# Allegro board 1140022-KU060_PCIE_FIBER_BOARD_V001_pcb166_20240120_1835_pcb.brd (continued)
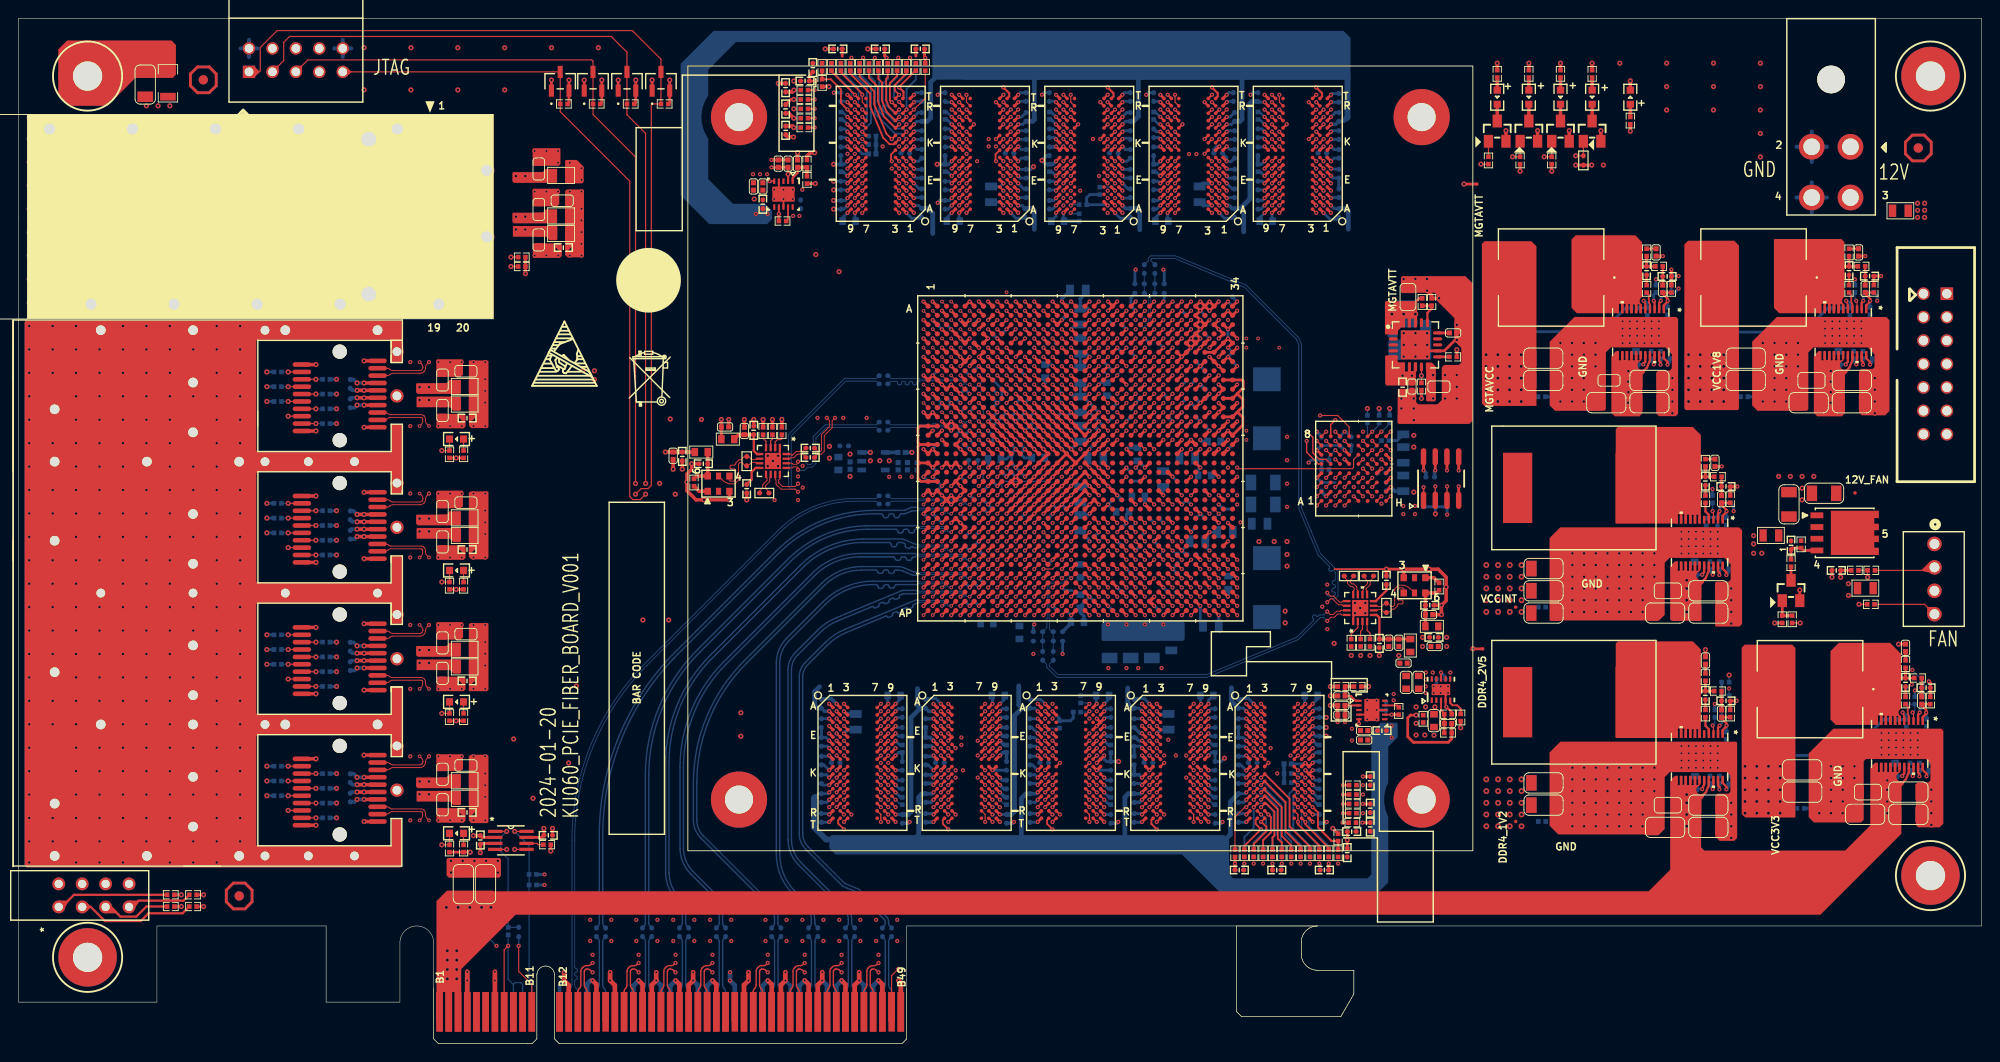
[diagram p0: board, top side]
## Routing (per net, layer and track width the routed paths; a pad name or vN(x,y) marks a point on that pad's centre or on a via; arc(x,y) is an arc through that point) (continued)
  ART05 w0.14: 97.43,73.12 97.24,73.12 96.72,73.63 96.01,75.34 96.09,75.52 96.62,75.74 96.8,76.17 96.48,76.94 96.04,77.12 95.51,76.9 95.33,76.98 92.48,83.87 92.48,89.02 92.76,89.3 92.76,89.59 92.48,89.87 92.48,90.19 92.04,90.64 91.7,90.64 v1(91.47,90.87)
CHA_FPGA_DDR4_C2_DQS6_N: length 31.9
  TOP w0.145: v1(110.11,71.45) U1.K13 ; U13.F3 v1(106.77,94.07)
  ART10 w0.102: 110.77,80.95 110.77,80.92 110.71,80.86 110.71,75.13 110.43,74.85 109.93,74.85 109.71,74.63 109.71,71.15 109.81,71.05 110.01,71.05 110.11,71.15 v1(110.11,71.45)
  ART10 w0.14: v1(106.77,94.07) 106.55,94.29 106.18,94.29 106.05,94.15 106.05,88.09 106.44,87.7 106.64,87.7 106.94,88 107.4,88 107.99,87.41 107.99,86.94 107.69,86.64 107.69,86.44 108.09,86.05 108.29,86.05 108.62,86.39 109.09,86.39 109.68,85.8 109.68,85.33 109.34,84.99 109.34,84.79 110.77,83.37 110.77,81.98 110.91,81.84 111.16,81.84 111.3,81.7 111.3,81.42 111.16,81.28 110.91,81.28 110.77,81.14 110.77,80.95
CHA_FPGA_DDR4_C2_DQS6_P: length 32.1
  TOP w0.145: v1(110.11,70.45) U1.L13
  TOP w0.173: U13.G3 v1(106.77,94.87)
  ART10 w0.102: 110.44,80.95 110.44,80.92 110.51,80.86 110.51,75.22 110.34,75.05 109.84,75.05 109.51,74.72 109.51,71.07 109.73,70.85 110.01,70.85 110.11,70.75 v1(110.11,70.45)
  ART10 w0.14: v1(106.77,94.87) 106.51,94.61 106.05,94.61 105.72,94.28 105.72,87.96 106.3,87.37 106.77,87.37 107.07,87.67 107.27,87.67 107.67,87.27 107.67,87.08 107.37,86.78 107.37,86.31 107.95,85.72 108.42,85.72 108.76,86.06 108.96,86.06 109.35,85.66 109.35,85.47 109.02,85.13 109.02,84.66 110.44,83.23 110.44,80.95
CHA_FPGA_DDR4_C2_DQS7_N: length 23
  TOP w0.173: U1.E13 v1(110.11,76.45) ; U13.A7 v1(102.77,90.07)
  ART05 w0.102: v1(110.11,76.45) 110.11,76.15 110.01,76.05 108.83,76.05 108.71,76.18 108.71,76.76 108.42,77.05 107.9,77.05 107.71,77.24 107.71,80.7 107.77,80.76 107.77,80.78
  ART05 w0.14: v1(102.77,90.07) 102.72,90.02 102.72,89.72 102.86,89.58 103.09,89.58 103.23,89.44 103.23,89.16 103.09,89.02 102.86,89.02 102.72,88.88 102.72,88.6 102.86,88.46 103.06,88.46 103.2,88.32 103.2,88.04 103.06,87.9 102.86,87.9 102.72,87.76 102.72,86.09 103.01,85.8 103.2,85.8 103.26,85.86 103.73,85.86 104.32,85.27 104.32,84.8 104.26,84.74 104.26,84.54 104.66,84.15 104.85,84.15 104.95,84.24 105.42,84.24 106.01,83.66 106.01,83.19 105.91,83.09 105.91,82.89 106.4,82.4 107.29,82.4 107.9,81.8 107.9,81.05 107.77,80.92 107.77,80.78
CHA_FPGA_DDR4_C2_DQS7_P: length 22.9
  TOP w0.173: U13.B7 v1(102.77,90.87) ; U1.F13 v1(110.11,75.45)
  ART05 w0.102: v1(110.11,75.45) 110.11,75.75 110.01,75.85 108.75,75.85 108.51,76.09 108.51,76.68 108.33,76.85 107.81,76.85 107.51,77.16 107.51,80.7 107.44,80.76 107.44,80.78 ; v1(102.77,90.87) 102.39,90.21 102.39,90.2 102.39,89.92
  ART05 w0.14: 107.44,80.78 107.44,81.06 107.57,81.19 107.57,81.66 107.16,82.07 106.27,82.07 105.58,82.76 105.58,83.23 105.68,83.32 105.68,83.52 105.28,83.92 105.09,83.92 104.99,83.82 104.52,83.82 103.93,84.41 103.93,84.88 103.99,84.93 103.99,85.13 103.59,85.53 103.4,85.53 103.34,85.47 102.87,85.47 102.39,85.95 102.39,89.81 102.39,89.81 102.39,89.92
CHA_FPGA_DDR4_C2_DQS8_N: length 58.8
  TOP w0.145: U12.F3 v1(118.07,94.07) ; v1(118.11,75.45) U1.F20
  ART03 w0.102: v1(118.11,75.45) 118.11,75.15 118.01,75.05 109.95,75.05 108.71,76.29 108.71,77.7 108.36,78.05 107.86,78.05 107.71,78.21 107.71,78.7 107.36,79.05 106.81,79.05 106.71,79.15 106.71,80.89 106.77,80.95 106.77,80.97
  ART03 w0.14: v1(118.07,94.07) 117.83,94.31 117.53,94.31 117.2,94.64 117.2,96.28 117.03,96.45 115.66,96.45 115.47,96.26 115.47,95.68 115.61,95.54 116.05,95.54 116.38,95.21 116.38,94.38 116.05,94.05 115.61,94.05 115.47,93.91 115.47,93.35 115.61,93.21 117.3,93.21 117.63,92.88 117.63,91.87 117.3,91.54 115.02,91.54 114.88,91.4 114.88,90.8 115.02,90.66 117.17,90.66 117.5,90.32 117.5,89.41 117.17,89.08 115.04,89.08 112.18,86.22 111.71,86.22 110.97,86.97 110.77,86.97 110.38,86.57 110.38,86.37 111.12,85.63 111.12,85.16 110.53,84.57 110.06,84.57 109.32,85.32 109.12,85.32 108.73,84.92 108.73,84.72 109.47,83.98 109.47,83.51 108.88,82.92 108.41,82.92 107.94,83.4 107.74,83.4 107.31,82.97 107.31,82.77 107.59,82.49 107.59,82.29 107.39,82.1 107.2,82.1 106.92,82.38 106.72,82.38 106.53,82.19 106.53,81.48 106.77,81.24 106.77,80.97
CHA_FPGA_DDR4_C2_DQS8_P: length 58.7
  TOP w0.145: U12.G3 v1(118.07,94.87) ; v1(118.11,74.45) U1.G20
  ART03 w0.102: v1(118.11,74.45) 118.11,74.75 118.01,74.85 109.86,74.85 108.51,76.2 108.51,77.61 108.27,77.85 107.78,77.85 107.51,78.12 107.51,78.61 107.28,78.85 106.72,78.85 106.5,79.07 106.5,80.89 106.44,80.95 106.44,80.97
  ART03 w0.14: 106.44,80.97 106.44,81.1 106.2,81.34 106.2,82.32 107.6,83.73 108.07,83.73 108.55,83.25 108.75,83.25 109.14,83.65 109.14,83.84 108.4,84.59 108.4,85.06 108.99,85.64 109.46,85.64 110.2,84.9 110.4,84.9 110.79,85.3 110.79,85.49 110.05,86.24 110.05,86.71 110.64,87.29 111.11,87.29 111.85,86.55 112.05,86.55 114.9,89.41 117.03,89.41 117.17,89.55 117.17,90.19 117.03,90.33 114.89,90.33 114.55,90.66 114.55,91.53 114.89,91.86 117.16,91.86 117.3,92 117.3,92.74 117.16,92.88 115.47,92.88 115.14,93.21 115.14,94.04 115.47,94.37 115.92,94.37 116.06,94.51 116.06,95.07 115.92,95.21 115.47,95.21 115.14,95.54 115.14,96.39 115.52,96.77 117.17,96.77 117.52,96.42 117.52,94.78 117.66,94.64 117.84,94.64 v1(118.07,94.87)
CHA_FPGA_DDR4_C2_ODT: length 132.2
  TOP w0.201: U10.K3 v1(140.68,98.07) ; v1(95.47,98.07) U11.K3 94.91,97.51 94.44,97.51 93.73,98.21 92.33,101.61 92.33,103 90.17,105.16 R153.1
  TOP w0.229: U12.K3 v1(118.07,98.07) ; U9.K3 v1(129.38,98.07) ; U13.K3 v1(106.77,98.07) ; v1(120.11,79.45) U1.B22
  ART03 w0.155: v1(140.68,98.07) 140.68,97.85 140.13,97.31 140.13,97.02 139.98,96.86 137.37,96.86 137.21,96.71 137.21,96.4 137.37,96.24 139.98,96.24 140.13,96.09 140.13,95.72 139.98,95.56 137.26,95.56 137.11,95.41 137.11,95.1 137.26,94.94 139.98,94.94 140.13,94.79 140.13,94.48 139.98,94.32 137.26,94.32 137.11,94.17 137.11,93.86 137.26,93.7 139.98,93.7 140.13,93.55 140.13,93.24 139.98,93.08 137.26,93.08 137.11,92.93 137.11,92.62 137.26,92.46 139.9,92.46 140.06,92.31 140.06,92 139.9,91.84 137.26,91.84 137.11,91.69 137.11,91.38 137.26,91.22 139.77,91.22 139.93,91.07 139.93,90.76 139.77,90.6 137.26,90.6 137.11,90.45 137.11,90.14 137.26,89.98 137.94,89.98 138.1,89.83 138.1,89.54 137.94,89.38 133.6,89.38 125.63,81.41 125.4,81.41 124.59,80.59 124.59,80.11 124.38,79.91 123.93,79.91 123.62,79.6 123.62,79.15 123.47,78.99 120.57,78.99 v1(120.11,79.45)
  ART05 w0.086: v1(140.68,98.07) 140.27,97.66 138.48,97.66 136.88,99.27 133.82,99.27 131.43,96.88 130.78,96.88 130.6,97.06 130.6,97.44 130.34,97.69 129.75,97.69 v1(129.38,98.07) 128.97,97.66 127.18,97.66 125.57,99.27 122.52,99.27 120.13,96.88 119.48,96.88 119.29,97.06 119.29,97.44 119.04,97.69 118.45,97.69 v1(118.07,98.07) 117.66,97.66 115.87,97.66 114.27,99.27 111.22,99.27 108.83,96.88 108.17,96.88 107.99,97.06 107.99,97.44 107.74,97.69 107.15,97.69 v1(106.77,98.07) 106.36,97.66 104.57,97.66 102.97,99.27 99.91,99.27 97.52,96.88 96.87,96.88 96.69,97.06 96.69,97.44 96.43,97.69 95.85,97.69 v1(95.47,98.07)
CHA_FPGA_DDR4_C2_PARITY: length 121
  TOP w0.201: v1(95.47,102.87) 95,103.34 95,103.94 96.26,105.2 R158.1
  TOP w0.229: U10.T3 v1(140.68,102.87) ; U12.T3 v1(118.07,102.87) ; U1.F27 v1(125.11,75.45) ; U9.T3 v1(129.38,102.87) ; U13.T3 v1(106.77,102.87) ; U11.T3 v1(95.47,102.87)
  ART05 w0.086: v1(140.68,102.87) 140.36,102.87 139.64,103.59 139.64,103.71 139.7,103.77 139.7,103.89 139.59,104 139.44,104 139.4,103.96 139.27,103.96 139.15,104.08 139.15,104.2 139.22,104.27 139.22,104.39 139.1,104.51 138.98,104.51 138.91,104.45 138.79,104.45 138.18,105.05 131.37,105.05 129.77,103.45 129.77,103.26 v1(129.38,102.87) 129.06,102.87 128.34,103.59 128.34,103.71 128.39,103.77 128.39,103.89 128.28,104 128.14,104 128.09,103.96 127.97,103.96 127.85,104.08 127.85,104.2 127.92,104.27 127.92,104.39 127.79,104.51 127.67,104.51 127.6,104.45 127.48,104.45 126.87,105.05 120.07,105.05 118.47,103.45 118.47,103.26 v1(118.07,102.87) 117.75,102.87 117.03,103.59 117.03,103.71 117.09,103.77 117.09,103.89 116.98,104 116.83,104 116.79,103.96 116.67,103.96 116.55,104.08 116.55,104.2 116.61,104.27 116.61,104.39 116.49,104.51 116.37,104.51 116.3,104.45 116.18,104.45 115.57,105.05 108.76,105.05 107.16,103.45 107.16,103.26 v1(106.77,102.87) 106.45,102.87 105.73,103.59 105.73,103.71 105.79,103.77 105.79,103.89 105.68,104 105.53,104 105.49,103.96 105.37,103.96 105.24,104.08 105.24,104.2 105.31,104.27 105.31,104.39 105.19,104.51 105.07,104.51 105,104.45 104.88,104.45 104.27,105.05 97.46,105.05 95.86,103.45 95.86,103.26 v1(95.47,102.87)
  ART12 w0.155: v1(140.68,102.87) 140.61,102.87 140.21,103.28 140.21,103.81 140.56,104.17 142.67,104.17 145.31,101.52 145.31,88.75 138.76,82.19 138.54,82.19 137.92,82.81 137.7,82.81 137.48,82.59 137.48,82.37 138.1,81.75 138.1,81.53 137.88,81.32 137.66,81.32 137.04,81.93 136.82,81.93 136.6,81.71 136.6,81.5 137.22,80.88 137.22,80.66 137,80.44 136.79,80.44 136.17,81.06 135.95,81.06 135.73,80.84 135.73,80.62 136.35,80 136.35,79.78 136.13,79.56 135.91,79.56 135.29,80.18 135.07,80.18 134.85,79.96 134.85,79.74 135.47,79.12 135.47,78.9 135.25,78.68 135.03,78.68 134.41,79.3 134.19,79.3 133.97,79.08 133.97,78.87 134.59,78.25 134.59,78.03 134.37,77.81 134.15,77.81 133.61,78.35 133.39,78.35 133.17,78.13 133.17,77.91 133.72,77.37 133.72,77.15 133.5,76.94 132.79,76.94 132.61,76.76 132.61,76.3 132.33,76.02 131.98,76.02 131.57,75.62 131.57,75.29 131.22,74.93 126.92,74.93 126.4,75.45 v1(125.11,75.45)
CHA_FPGA_DDR4_C2_RAS: length 125
  TOP w0.201: U13.L8 v1(101.97,98.87)
  TOP w0.229: U9.L8 v1(124.58,98.87) ; U10.L8 v1(135.88,98.87) ; v1(123.11,79.45) U1.B25 ; U11.L8 v1(90.67,98.87) ; U12.L8 v1(113.27,98.87) ; R149.1 v1(86.31,99.32)
  ART03 w0.086: v1(135.88,98.87) 135.88,98.64 135.48,98.25 135.48,97.88 135.3,97.69 134.75,97.69 134.66,97.78 134.66,97.93 134.57,98.02 134.4,98.02 134.31,97.93 134.31,97.78 134.23,97.69 134.06,97.69 133.97,97.78 133.97,97.93 133.88,98.02 133.71,98.02 133.62,97.93 133.62,97.78 133.54,97.69 133.15,97.69 131.57,99.27 125.19,99.27 124.79,98.87 v1(124.58,98.87) 124.58,98.64 124.18,98.25 124.18,97.88 123.99,97.69 123.44,97.69 123.36,97.78 123.36,97.93 123.27,98.02 123.1,98.02 123.01,97.93 123.01,97.78 122.93,97.69 122.75,97.69 122.67,97.78 122.67,97.96 122.56,98.07 122.43,98.07 122.32,97.96 122.32,97.84 122.23,97.75 122.11,97.75 120.59,99.27 113.88,99.27 113.49,98.87 v1(113.27,98.87) 113.27,98.64 112.88,98.25 112.88,97.88 112.69,97.69 112.14,97.69 112.05,97.78 112.05,97.93 111.97,98.02 111.8,98.02 111.71,97.93 111.71,97.78 111.62,97.69 111.45,97.69 111.36,97.78 111.36,97.93 111.28,98.02 111.1,98.02 111.02,97.93 111.02,97.78 110.93,97.69 110.54,97.69 108.97,99.27 102.58,99.27 102.18,98.87 v1(101.97,98.87) 101.97,98.67 101.57,98.27 101.57,97.88 101.39,97.69 100.84,97.69 100.75,97.78 100.75,97.93 100.67,98.02 100.49,98.02 100.41,97.93 100.41,97.78 100.32,97.69 100.15,97.69 100.06,97.78 100.06,97.93 99.97,98.02 99.8,98.02 99.72,97.93 99.72,97.78 99.63,97.69 99.24,97.69 97.66,99.27 91.28,99.27 90.88,98.87 v1(90.67,98.87) 90.59,98.87 90.19,98.48 89.59,98.48
  ART03 w0.155: v1(86.31,99.32) 87.7,99.32 88.54,98.48 89.59,98.48
  ART10 w0.137: 145.8,100.07 145.49,99.77 143.05,99.77 142.75,100.07 ; 140.54,100.07 142.69,100.07
  ART10 w0.155: 142.69,100.07 142.75,100.07 ; v1(123.11,79.45) 123.14,79.45 123.57,79.88 124.46,79.88 124.59,80.01 124.59,80.92 126.85,83.19 141.02,83.19 146.05,88.21 146.05,92.96 146.2,93.12 146.35,93.12 146.51,93.27 146.51,93.58 146.35,93.74 146.2,93.74 146.05,93.89 146.05,94.2 146.2,94.36 147.01,94.36 147.17,94.51 147.17,94.82 147.01,94.98 146.2,94.98 146.05,95.13 146.05,95.44 146.2,95.6 147.01,95.6 147.17,95.75 147.17,96.06 147.01,96.22 146.2,96.22 146.05,96.37 146.05,96.68 146.2,96.84 147.01,96.84 147.17,96.99 147.17,97.3 147.01,97.46 146.2,97.46 146.05,97.61 146.05,97.92 146.2,98.07 147.01,98.07 147.17,98.23 147.17,98.54 147.01,98.69 146.2,98.69 146.05,98.85 146.05,99.16 146.2,99.31 147.01,99.31 147.17,99.47 147.17,99.92 147.01,100.07 145.8,100.07 ; 140.54,100.07 140.28,100.07 140.13,99.92 140.13,99.8 139.97,99.64 139.66,99.64 139.51,99.8 139.51,99.92 139.35,100.07 138.66,100.07 137.77,99.19 137.21,99.19 137.08,99.31 136.4,99.31 135.96,98.87 v1(135.88,98.87)
CHA_FPGA_DDR4_C2_RESET: length 93.8
  TOP w0.127: R128.2 98.29,102.5 v1(97.07,101.27) ; U9.P1 v1(130.98,101.27)
  TOP w0.145: U1.C22 v1(120.11,78.45)
  TOP w0.155: U13.P1 v1(108.37,101.27) ; U12.P1 v1(119.67,101.27) ; U10.P1 v1(142.28,101.27) ; U11.P1 v1(97.07,101.27)
  ART03 w0.086: v1(120.11,78.45) 120.11,78.52 119.61,79.02 119.61,79.81 119.76,79.96 123.29,79.96 123.55,80.21 123.55,80.72 123.77,80.95 124.38,80.95 134.29,90.86 134.29,95.66 134.8,96.16 136.19,96.16 137.39,97.36 139.75,97.36 140.26,97.87 140.26,100.75 140.37,100.86 142.06,100.86 142.28,101.08 v1(142.28,101.27)
  ART12 w0.086: v1(97.07,101.27) 99.9,101.27 100.3,100.86 107.96,100.86 v1(108.37,101.27) 111.2,101.27 111.61,100.86 119.27,100.86 v1(119.67,101.27) 122.5,101.27 122.91,100.86 130.57,100.86 v1(130.98,101.27) 133.93,101.27 134.34,100.86 138.38,100.86 139.17,100.08 140.87,100.08 141.07,100.28 141.07,100.71 141.25,100.89 141.68,100.89 142.06,101.27 v1(142.28,101.27)
CHA_FPGA_DDR4_C2_WE: length 127.1
  TOP w0.201: U11.L2 v1(96.27,98.87)
  TOP w0.229: U1.B26 v1(124.11,79.45) ; U13.L2 v1(107.57,98.87) ; U10.L2 v1(140.68,98.87) ; U12.L2 v1(118.87,98.87) ; U9.L2 v1(130.18,98.87)
  ART03 w0.137: 141.08,89.71 141.08,98.15 141.08,98.29
  ART03 w0.155: 141.08,98.29 140.68,98.69 v1(140.68,98.87) ; v1(124.11,79.45) 124.43,79.45 124.97,79.98 125.4,79.98 125.68,80.26 125.68,80.67 133.91,88.9 134.31,88.9 134.46,88.75 134.46,86.11 134.64,85.93 134.93,85.93 135.08,86.08 135.08,88.75 135.24,88.9 135.55,88.9 135.7,88.75 135.7,86.11 135.88,85.93 136.17,85.93 136.32,86.08 136.32,88.75 136.48,88.9 136.79,88.9 136.94,88.75 136.94,86.11 137.12,85.93 137.4,85.93 137.56,86.08 137.56,88.75 137.71,88.9 138.02,88.9 138.18,88.75 138.18,86.11 138.36,85.93 138.64,85.93 138.8,86.08 138.8,89.86 138.95,90.02 139.26,90.02 139.42,89.86 139.42,86.41 139.57,86.26 139.88,86.26 140.04,86.41 140.04,89.41 140.19,89.56 140.93,89.56 141.08,89.71
  ART05 w0.086: v1(96.27,98.87) 96.68,98.45 97.7,98.45 100.12,100.87 100.31,100.87 100.4,100.95 100.4,101.16 100.48,101.24 100.66,101.24 100.74,101.16 100.74,100.95 100.83,100.87 103.04,100.87 105.04,98.87 106.77,98.87 v1(107.57,98.87) 107.99,98.45 109.01,98.45 111.42,100.87 111.61,100.87 111.7,100.95 111.7,101.16 111.79,101.24 111.96,101.24 112.05,101.16 112.05,100.95 112.13,100.87 114.96,100.87 116.95,98.87 118.07,98.87 v1(118.87,98.87) 119.29,98.45 120.31,98.45 122.72,100.87 122.92,100.87 123,100.95 123,101.16 123.09,101.24 123.26,101.24 123.35,101.16 123.35,100.95 123.44,100.87 125.64,100.87 127.64,98.87 129.38,98.87 v1(130.18,98.87) 130.59,98.45 131.61,98.45 134.03,100.87 134.22,100.87 134.31,100.95 134.31,101.16 134.39,101.24 134.57,101.24 134.65,101.16 134.65,100.95 134.74,100.87 136.95,100.87 138.94,98.87 v1(140.68,98.87)
  BOTTOM w0.201: R152.1 93.32,105.38 93.32,100.99 95.1,99.21 95.93,99.21 v1(96.27,98.87)
CHA_FPGA_DONE_B: length 112.1
  TOP w0.127: v3(168.81,96.26) R12.2 Q1.1
  TOP w0.155: U1.N7 v1(104.11,68.45)
  ART10 w0.086: v1(104.11,68.45) 104.64,68.99 117.49,68.99 117.63,68.85 117.63,65.07 117.73,64.97 118.36,64.97 118.69,64.64 118.69,62.31 120.22,60.78 128.5,60.78 130.16,60.1 133.3,60.1 138.13,55.27 156.36,55.27 157.51,56.41 157.51,87.1 166.67,96.26 v3(168.81,96.26)
CHA_FPGA_INIT_B: length 3.2
  TOP w0.155: U1.V7 v1(104.11,62.45)
  BOTTOM w0.127: R3.2 104.57,61.99 v1(104.11,62.45) 104.01,62.55 R1.2
CHA_FPGA_MASTER_CLOCK_N: length 56.4
  TOP w0.102: C1395.2 86.65,64.2 86.92,64.2 87.06,64.34 87.06,66.03 87.91,66.89 87.91,67.56 v1(87.63,67.84) ; U1.AC32 v1(130.11,57.45)
  ART05 w0.084: v1(87.63,67.84) 87.9,68.11 87.9,68.74 88.19,69.03 94.24,69.03 95.26,68.01 96.83,68.01 100.82,64.02 118.41,64.02 119.34,63.08 119.34,61.28 119.96,60.67 127.15,60.67 129.78,58.04 129.78,57.78 v1(130.11,57.45)
  BOTTOM w0.102: R768.1 v1(130.11,57.45) 130.59,56.97 R769.2
CHA_FPGA_MASTER_CLOCK_P: length 56.3
  TOP w0.102: U1.AC31 v1(129.11,57.45) ; v1(88.52,67.84) 88.2,67.53 88.2,66.77 87.35,65.91 87.35,64.22 87.04,63.91 86.65,63.91 C1396.2
  ART05 w0.084: v1(88.52,67.84) 88.24,68.11 88.24,68.6 88.33,68.68 88.83,68.68 88.92,68.6 88.92,68.54 89,68.45 89.17,68.45 89.25,68.54 89.25,68.6 89.34,68.68 89.5,68.68 89.59,68.6 89.59,68.54 89.67,68.45 89.84,68.45 89.92,68.54 89.92,68.6 90.01,68.68 94.1,68.68 95.12,67.67 96.69,67.67 100.68,63.68 118.26,63.68 119,62.94 119,61.14 119.81,60.33 127.01,60.33 129.44,57.9 129.44,57.78 v1(129.11,57.45)
  BOTTOM w0.102: U1.AC31 v1(129.11,57.45) 129.59,57.94 R770.2
CHA_FPGA_MODE0: length 2.1
  TOP w0.155: U1.K7 v1(104.11,71.45)
  BOTTOM w0.127: R17.2 104.6,71.94 v1(104.11,71.45) 103.63,70.97 R18.1
CHA_FPGA_MODE1: length 2.1
  TOP w0.155: U1.L7 v1(104.11,70.45)
  BOTTOM w0.127: R15.2 104.57,69.99 v1(104.11,70.45) 104.6,70.94 R16.1
CHA_FPGA_MODE2: length 2.4
  TOP w0.155: U1.M7 v1(104.11,69.45)
  BOTTOM w0.127: R14.1 R13.2 104.57,68.99 v1(104.11,69.45)
CHA_FPGA_POR_OVERRIDE: length 2.1
  TOP w0.155: U1.P7 v1(104.11,67.45)
  BOTTOM w0.127: R11.1 103.56,68 v1(104.11,67.45) 104.55,67.01 R10.2
CHA_FPGA_PROG_B: length 1.3
  TOP w0.155: U1.T7 v1(104.11,65.45)
  BOTTOM w0.127: R4.2 104.55,65.01 v1(104.11,65.45)
CHA_FPGA_PUDC_B: length 2
  TOP w0.155: U1.R7 v1(104.11,66.45)
  BOTTOM w0.127: R8.1 v1(104.11,66.45) 104.55,66.01 R775.2
CHA_FPGA_TCK: length 140.6
  TOP w0.127: J1.1 26.09,105.36 26.21,105.49 26.21,108 28.04,109.83 66.55,109.83 69.65,106.73 D4.3 R19.1 68.73,101.88 68.61,101.75 68.61,60.53 68.25,60.17 67.5,60.17 v3(66.89,59.56)
  TOP w0.155: U1.AC9 v1(106.11,57.45)
  ART10 w0.086: v1(106.11,57.45) 105.68,57.02 91.21,57.02 90.4,56.21 69.9,56.21 66.89,59.22 v3(66.89,59.56)
CHA_FPGA_TDI: length 118.2
  TOP w0.127: J1.9 35.16,105.36 D1.3 R22.1 58.72,101.04 66.27,93.5 66.27,59.31 66.6,58.98 67.4,58.98 v3(67.98,59.56)
  TOP w0.155: U1.V9 v1(106.11,62.45)
  ART10 w0.086: v3(67.98,59.56) 70.3,57.25 88.41,57.25 91.86,60.69 96.96,60.69 97.41,61.14 97.41,62.36 98.32,63.27 105.29,63.27 v1(106.11,62.45)
CHA_FPGA_TDO: length 132.4
  TOP w0.127: v3(67.98,60.73) 67.98,98.69 65.96,100.71 R20.1 D3.3 65.96,107.49 64.26,109.19 29.39,109.19 28.75,108.56 28.75,106.58 J1.3
  TOP w0.155: U1.U9 v1(106.11,64.45)
  ART10 w0.086: v1(106.11,64.45) 105.41,63.75 98.2,63.75 96.79,62.34 92.88,62.34 88.23,57.7 71.02,57.7 v3(67.98,60.73)
CHA_FPGA_TMS: length 124.9
  TOP w0.127: v3(66.89,60.73) 66.89,96.13 62.28,100.74 R21.1 D2.3 62.28,106.53 62.15,106.65 31.37,106.65 J1.5
  TOP w0.155: U1.W9 v1(106.11,61.45)
  ART10 w0.086: v1(106.11,61.45) 105.61,61.95 100.46,61.95 98.7,60.2 92.08,60.2 88.7,56.82 69.85,56.82 67.44,59.23 67.44,60.19 v3(66.89,60.73)
CHA_GPIO_3V3_0: length 229.6
  TOP w0.155: v1(110.11,51.45) U1.AJ13
  ART10 w0.086: J19.3 204.85,77.11 204.85,73.36 203.86,72.36 203.86,46.3 207.57,42.59 207.57,29.03 205.46,26.92 205.46,25.43 198.55,18.52 89.31,18.52 85.88,21.95 85.88,41.44 96.27,51.84 109.72,51.84 v1(110.11,51.45)
CHA_GPIO_3V3_1: length 229
  TOP w0.155: U1.AH13 v1(110.11,52.45)
  ART10 w0.086: v1(110.11,52.45) 109.72,52.06 95.62,52.06 85.54,41.98 85.54,21.81 89.19,18.16 199.04,18.16 206.54,25.67 206.54,27.47 208.04,28.97 208.04,42.73 204.29,46.48 204.29,72.24 205.26,73.2 205.26,74.98 J19.5
CHA_GPIO_3V3_2: length 228.6
  TOP w0.155: v1(109.11,52.45) U1.AH12
  ART10 w0.086: J19.7 204.62,71.81 204.62,46.62 208.36,42.88 208.36,24.94 207.75,24.33 205.66,24.33 199.17,17.85 88.92,17.85 85.13,21.64 85.13,42.21 95.5,52.58 97.56,52.58 97.84,52.86 108.7,52.86 v1(109.11,52.45)
CHA_GPIO_3V3_3: length 227.9
  TOP w0.155: v1(109.11,53.45) U1.AG12
  ART10 w0.086: v1(109.11,53.45) 108.72,53.06 95.35,53.06 84.8,42.51 84.8,21.5 88.76,17.53 199.3,17.53 204.93,23.16 207.59,23.16 208.67,24.24 208.67,43.07 204.98,46.76 204.98,69.62 J19.9
CHA_GPIO_3V3_4: length 228.9
  TOP w0.155: U1.AF13 v1(110.11,54.45)
  ART10 w0.086: J19.11 205.55,68.6 205.38,68.44 205.38,47.04 208.99,43.44 208.99,23.95 207.85,22.81 205.02,22.81 199.43,17.22 88.5,17.22 84.39,21.33 84.39,42.6 95.3,53.52 97.38,53.52 97.71,53.85 108.84,53.85 108.97,53.98 109.63,53.98 v1(110.11,54.45)
CHA_GPIO_3V3_5: length 244.8
  TOP w0.155: U1.AD11 v1(108.11,56.45)
  ART10 w0.086: v1(108.11,56.45) 107.71,56.06 94.5,56.06 82.41,43.97 82.41,20.51 87.36,15.56 200.12,15.56 205.66,21.11 208.66,21.11 210.7,23.15 210.7,77.1 J19.4
CHA_GPIO_3V3_6: length 240.2
  TOP w0.155: U1.AE11 v1(108.11,55.45)
  ART10 w0.086: J19.6 210.39,74.88 210.39,23.32 208.55,21.48 205.47,21.48 199.95,15.96 87.47,15.96 82.77,20.66 82.77,43.47 94.85,55.55 97.48,55.55 97.79,55.85 107.71,55.85 v1(108.11,55.45)
CHA_GPIO_3V3_7: length 236.5
  TOP w0.155: U1.AE12 v1(109.11,55.45)
  ART10 w0.086: J19.8 210.06,72.67 210.06,23.47 208.39,21.8 205.35,21.8 199.82,16.27 87.73,16.27 83.18,20.83 83.18,43.3 94.95,55.06 108.72,55.06 v1(109.11,55.45)
CHA_GPIO_3V3_8: length 231.1
  TOP w0.155: U1.AF12 v1(109.11,54.45)
  ART10 w0.086: v1(109.11,54.45) 108.71,54.05 95.1,54.05 83.97,42.93 83.97,21.16 88.23,16.9 199.56,16.9 205.14,22.48 208,22.48 209.4,23.88 209.4,61.9 207.59,63.7 207.59,69.7 J19.10
CHA_GPIO_3V3_9: length 231.5
  TOP w0.155: U1.AE13 v1(110.11,55.45)
  ART10 w0.086: v1(110.11,55.45) 109.67,55.02 109.09,55.02 108.94,54.86 97.74,54.86 97.42,54.55 95.01,54.55 83.59,43.13 83.59,21 88,16.59 199.69,16.59 205.24,22.14 208.19,22.14 209.74,23.69 209.74,62.6 208.03,64.32 208.03,67.72 208.91,68.6 J19.12
CHA_MGTAVCC: length 73.3
  TOP w0.305: U1.C6 v1(104.11,78.45) ; U1.N6 v1(103.11,68.45) ; U1.W6 v1(103.11,61.45) ; U1.L6 v1(103.11,69.45) ; U1.P29 v1(127.11,67.45) ; U1.AG6 v1(103.11,53.45) ; U1.H29 v1(127.11,73.45) ; v1(179.18,83.91) 179.18,83.91 C1547.2 R601.2 ; U1.AE6 v1(103.11,55.45) ; U1.AN6 v1(103.11,47.45) ; U1.AL6 v1(103.11,49.45) ; U1.N31 v1(129.11,68.45) ; U1.J6 v1(103.11,72.45) ; U1.J31 v1(129.11,72.45) ; U1.G6 v1(103.11,73.45) ; U1.U6 v1(103.11,64.45) ; v1(129.11,76.45) U1.E31 v1(128.11,75.45) U1.F30 ; U1.AC6 v1(103.11,57.45) ; U1.AJ6 v1(103.11,51.45)
  TOP w0.381: U1.E6 v1(104.11,75.45)
  ART10 w0.381: v4(162.9,69.61) 165.4,68.58 174.75,68.58 179.45,73.28 179.45,80.95 179.18,81.62 v1(179.18,83.91)
  BOTTOM w0.305: R933.2 174.23,79.76 171.65,77.19 163.38,77.19 ; C164.2 103.11,69.5 v1(103.11,69.45) ; v1(103.11,64.45) 102.94,64.59 C157.1 ; v1(127.11,73.45) 126.64,72.98 C148.1 ; C149.1 102.64,47.92 v1(103.11,47.45) ; C151.1 v1(103.11,72.45) ; C155.1 126.64,66.98 v1(127.11,67.45) ; v1(128.11,75.45) 127.61,74.95 C146.1 ; C163.2 103.11,73.47 v1(103.11,73.45) ; C153.1 103.58,56.98 v1(103.11,57.45) ; C160.2 102.64,51.92 v1(103.11,51.45) ; C147.1 128.61,75.95 v1(129.11,76.45) 128.61,76.95 C162.2 ; C165.2 v1(103.11,68.45) ; v1(129.11,68.45) 128.61,67.95 C158.1 ; v1(103.11,49.45) 102.64,49.92 C152.1 ; C159.1 102.64,53.92 v1(103.11,53.45) ; C154.1 102.64,54.98 v1(103.11,55.45) ; U1.J31 v1(129.11,72.45) ; C166.2 v1(103.11,61.45)
  BOTTOM w0.381: v1(104.11,75.45) 103.59,75.96 C156.1 ; v1(104.11,78.45) 104.06,78.45 C161.2
  vias: v4(159.09,74.69) v4(159.09,73.42) v4(159.09,72.15) v4(159.09,70.88) v4(159.09,69.61) v4(160.36,74.69) v4(160.36,73.42) v4(160.36,72.15) v4(160.36,70.88) v4(160.36,69.61) v4(161.63,74.69) v4(161.63,73.42) v4(161.63,72.15) v4(161.63,70.88) v4(161.63,69.61) v4(162.9,74.69) v4(162.9,73.42) v4(162.9,72.15) v4(162.9,70.88)
CHA_MGTAVCC_EN: length 2.1
  TOP w0.254: v1(178.03,80.54) 178.03,80.47 177.86,80.29 U111.2
  BOTTOM w0.254: v1(178.03,80.54) 178.03,80.8 178.37,81.14 R660.1
CHA_MGTAVCC_GOOD: length 31.4
  TOP w0.254: v1(177.27,80.54) 177.36,80.44 U111.3
  TOP w0.305: R612.2 v3(155.92,75.23)
  ART03 w0.086: v1(177.27,80.54) 177.27,79.81 177.52,79.55 178.25,79.55 178.74,79.06 178.74,76.02 178.13,75.41 156.1,75.41 v3(155.92,75.23)
  BOTTOM w0.305: v1(177.27,80.54) 177.27,81.19 R610.2
CHA_MGTAVTT: length 37.9
  TOP w0.305: TP97.1 v3(156.69,93.19) ; U1.H3 v1(100.11,73.45) ; U1.C2 v1(99.11,78.45) ; v1(131.11,67.45) U1.P33 v1(130.11,66.45) U1.R32 ; v1(129.11,74.45) U1.G32 v1(130.11,73.45) U1.H33 ; U1.AM3 v1(100.11,48.45) ; U1.L32 v1(130.11,70.45) U1.K33 v1(130.11,71.45) ; U1.W2 v1(99.11,61.45) ; U1.Y3 v1(100.11,60.45) ; U1.AP6 v1(103.11,46.45) ; U1.AH3 v1(100.11,52.45) ; U1.T3 v1(100.11,65.45) ; U1.G2 v1(99.11,74.45) ; 150.62,79.96 151,79.96 151.85,80.81 R607.1 ; v1(130.11,76.45) U1.D33 v1(130.11,77.45) U1.C32 v1(130.11,78.45) ; U1.AD3 v1(100.11,56.45) ; U1.R2 v1(100.11,66.45) ; U1.L2 v1(99.11,70.45) ; U1.AC2 v1(99.11,57.45) ; U1.AG2 v1(99.11,53.45) ; U1.M3 v1(100.11,69.45) ; U1.D3 v1(100.11,77.45) ; U1.AL2 v1(99.11,49.45)
  ART10 w0.254: v1(100.11,48.45) 100.63,47.93 102.36,47.93 102.62,47.68 102.62,46.94 v1(103.11,46.45)
  BOTTOM w0.305: C136.2 99.62,59.96 v1(100.11,60.45) 99.6,60.96 C135.2 99.58,60.98 v1(99.11,61.45) ; C133.2 v1(100.11,65.45) ; v1(99.11,70.45) 99.11,70.41 C137.2 99.62,69.94 v1(100.11,69.45) 99.64,68.98 C129.1 ; U1.AP6 v1(103.11,46.45) ; C131.1 100.58,72.98 v1(100.11,73.45) ; v1(100.11,56.45) 99.6,56.96 C138.2 99.58,56.98 v1(99.11,57.45) ; v1(100.11,77.45) 99.64,77.92 C130.1
  BOTTOM w0.381: v1(99.11,78.45) 99.62,77.94 C130.1
  vias: v1(131.11,78.45) v4(148.88,80.24) v4(148.88,79.1) v4(148.88,77.83) v4(150.15,79.1) v4(151.42,79.1)
